# KiCad board Turbo_XT_Mainboard R3.kicad_pcb (continued)
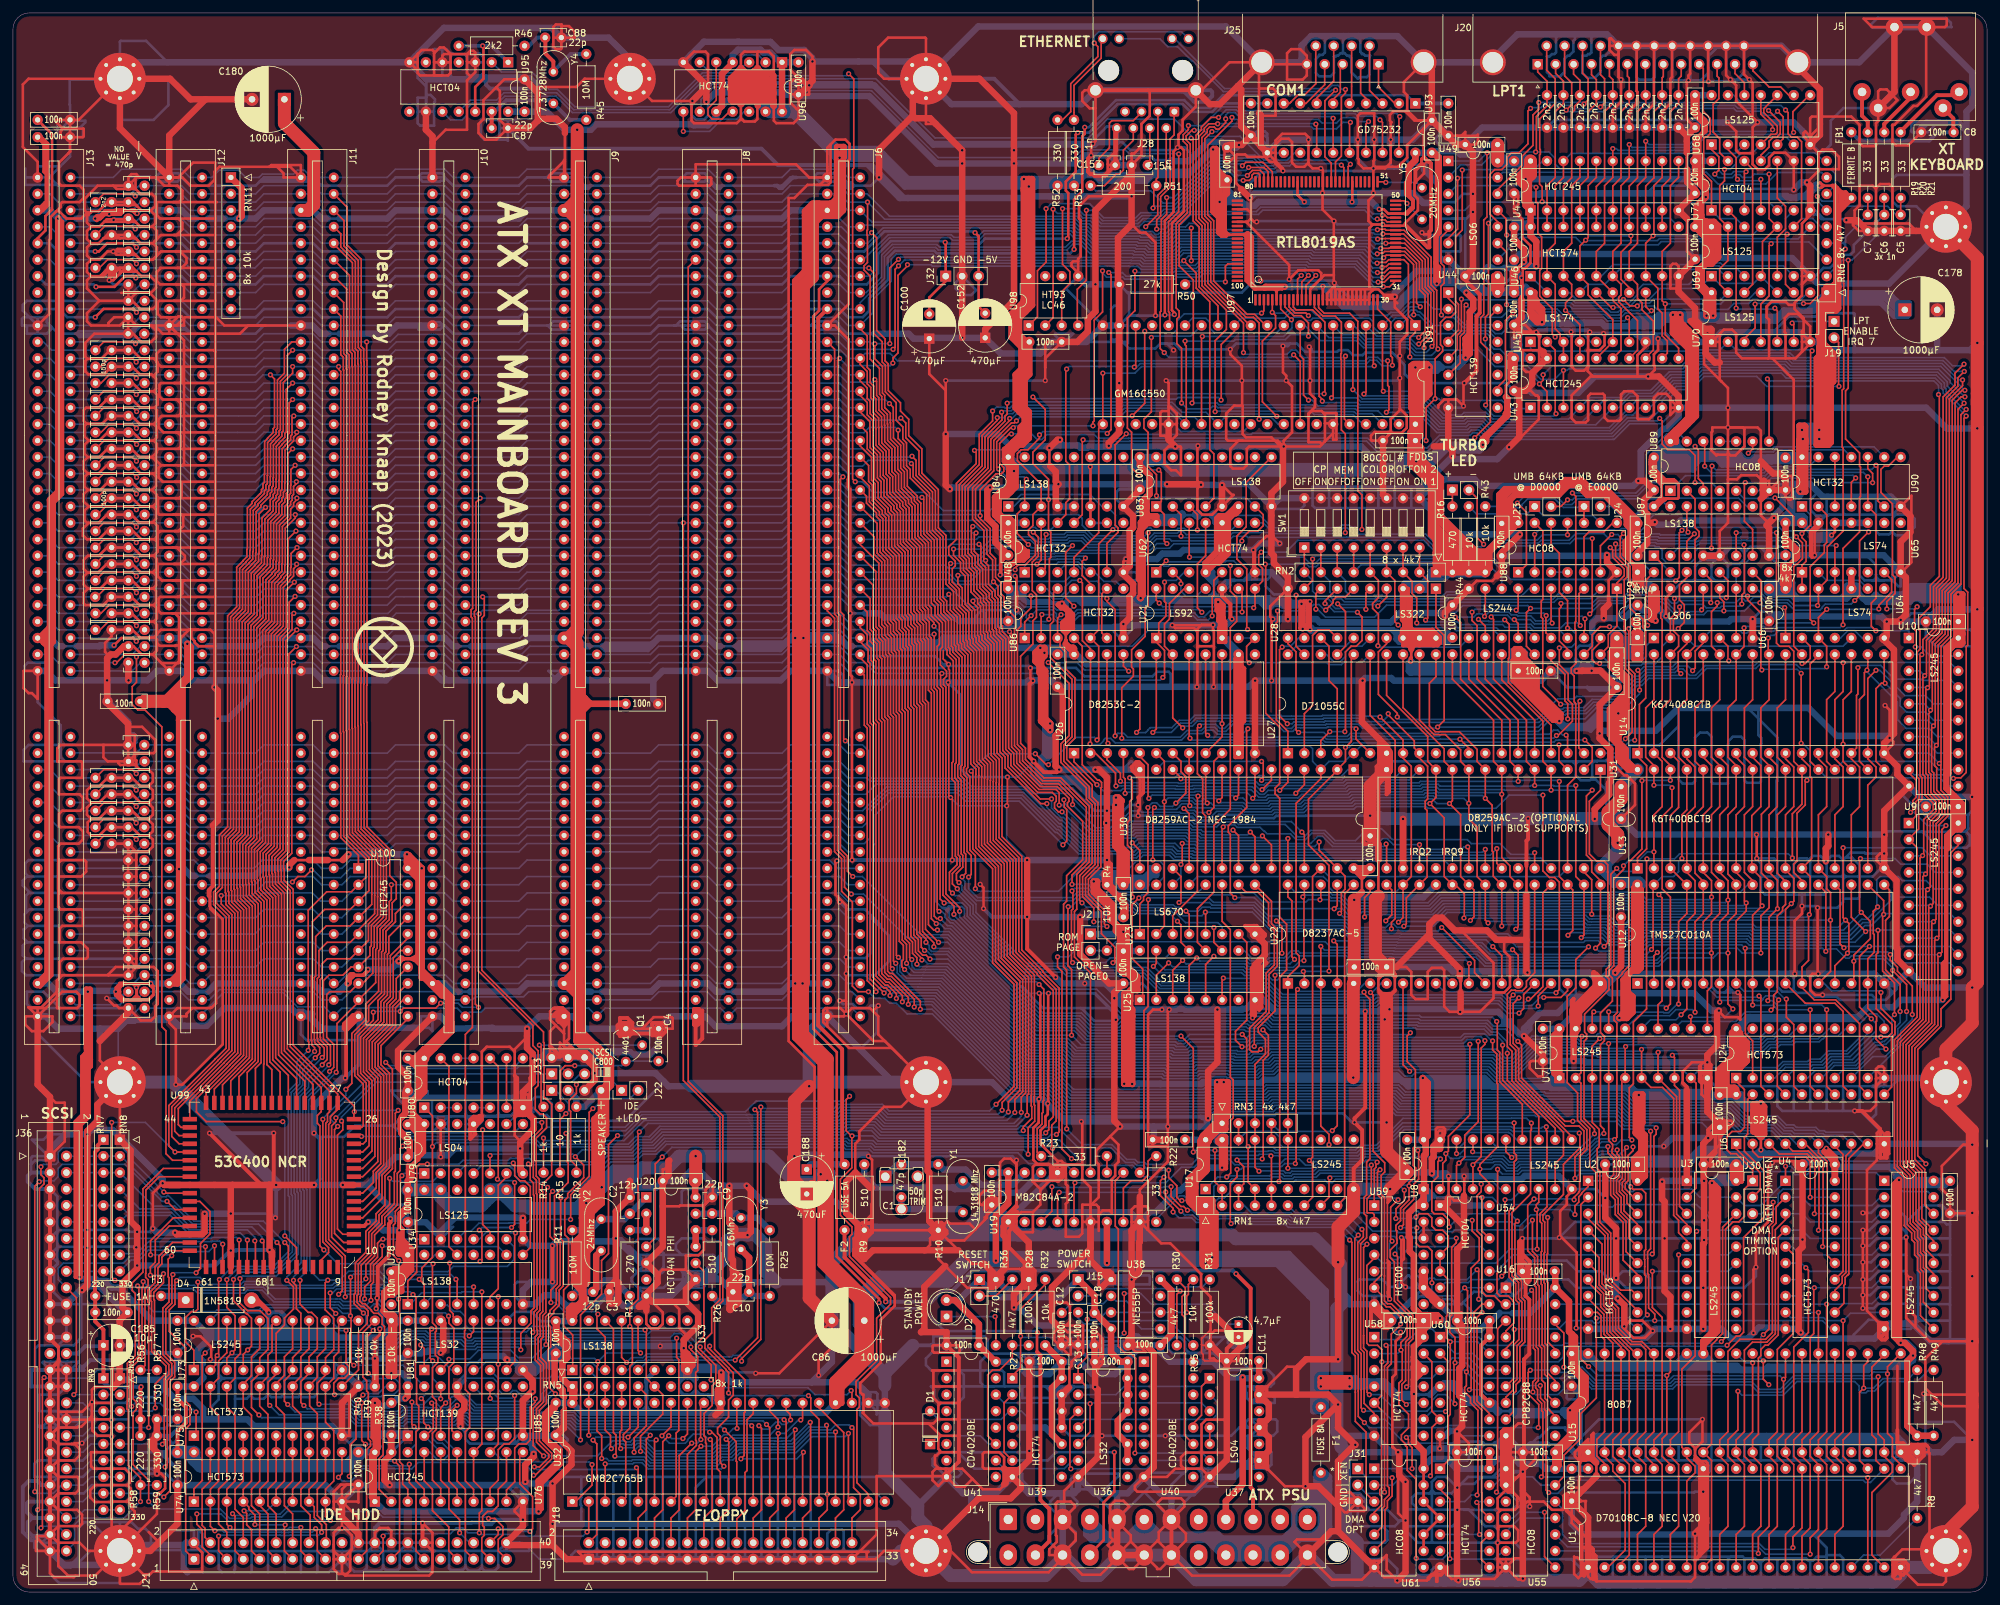
[diagram p0: board, top side]
## Placement (name value [footprint] x y rotation side) (continued)
RN7  8x 220  [R_Array_SIP9]  13.97 69.85 270 top
RN8  8x 330  [R_Array_SIP9]  16.51 69.85 270 top
RN9  8x 220  [R_Array_SIP9]  13.97 33.02 270 top
RN10  8x 330  [R_Array_SIP9]  16.51 33.02 270 top
RN11  8x 10k  [R_Array_SIP9]  33.65 218.44 270 top
SW1  SW_DIP_x08  [SW_DIP_SPSTx08_Slide_9.78x22.5mm_W7.62mm_P2.54mm]  199.39 161.29 90 top
U1  D70108C-8 NEC V20  [DIP-40_W15.24mm]  243.2 3.81 90 top
U2  74HCT573E TI  [DIP-20_W7.62mm]  243.2 63.5 0 top
U3  74LS245N TI  [DIP-20_W7.62mm]  258.44 63.5 0 top
U4  74HCT573E TI  [DIP-20_W7.62mm]  273.69 63.5 0 top
U5  74LS245N TI  [DIP-20_W7.62mm]  288.93 63.5 0 top
U6  74LS245N TI  [DIP-20_W7.62mm]  266.06 69.22 90 top
U7  74LS245N TI  [DIP-20_W7.62mm]  238.76 79.38 90 top
U8  74LS245N TI  [DIP-20_W7.62mm]  217.81 62.23 90 top
U9  74LS245N TI  [DIP-20_W7.62mm]  292.74 118.75 0 top
U10  74LS245N TI  [DIP-20_W7.62mm]  292.74 147.32 0 top
U12  TMS27C010A TI  [DIP-32_W15.24mm]  250.82 93.98 90 top
U13  K6T4008CTB  [DIP-32_W15.24mm]  250.82 111.76 90 top
U14  K6T4008CTB  [DIP-32_W15.24mm]  250.82 129.54 90 top
U15  8087  [DIP-40_W15.24mm]  243.2 21.59 90 top
U16  CP82C88 HARRIS  [DIP-20_W7.62mm]  230.5 46.99 0 top
U17  74LS245N TI  [DIP-20_W7.62mm]  184.15 62.23 90 top
U19  M82C84A-2 OKI  [DIP-18_W7.62mm]  153.67 57.15 90 top
U20  74HCT04N PHI  [DIP-14_W7.62mm]  97.79 60.96 0 top
U21  74LS92N  [DIP-14_W7.62mm]  176.53 147.32 90 top
U22  D8237AC-5 NEC 1984  [DIP-40_W15.24mm]  196.85 93.98 90 top
U23  74LS670N TI  [DIP-16_W7.62mm]  173.99 101.6 90 top
U24  74HCT573E TI  [DIP-20_W7.62mm]  266.06 79.38 90 top
U25  74LS138N TI  [DIP-16_W7.62mm]  173.99 91.44 90 top
U26  D8253C-2 NEC  [DIP-24_W15.24mm]  163.83 129.54 90 top
U27  D71055C NEC  [DIP-40_W15.24mm]  196.85 129.54 90 top
U28  74LS322AN  [DIP-20_W7.62mm]  219.71 154.94 270 top
U29  74LS244N TI  [DIP-20_W7.62mm]  247.65 154.94 270 top
U30  D8259AC-2 NEC  [DIP-28_W15.24mm]  207.01 127 270 top
U31  D8259AC-2 NEC  [DIP-28_W15.24mm]  245.11 127 270 top
U32  GM82C765B LGS  [DIP-40_W15.24mm]  86.36 13.97 90 top
U33  74LS138N  [DIP-16_W7.62mm]  86.36 34.29 90 top
U34  74LS125AN TI  [DIP-14_W7.62mm]  63.5 54.48 90 top
U36  74LS32N  [DIP-14_W7.62mm]  164.46 33.02 0 top
U37  74LS04N TI  [DIP-14_W7.62mm]  184.78 33.02 0 top
U38  NE555P  [DIP-8_W7.62mm]  169.54 48.26 0 top
U39  74HCT74E RCA  [DIP-14_W7.62mm]  154.31 33.02 0 top
U40  CD4020BE TI  [DIP-16_W7.62mm]  174.62 35.56 0 top
U41  CD4020BE TI  [DIP-16_W7.62mm]  144.14 35.56 0 top
U43  74HCT245N TI  [DIP-20_W7.62mm]  234.31 182.88 90 top
U44  74HCT139N PHI  [DIP-16_W7.62mm]  221.62 200.66 0 top
U45  74LS174N TI  [DIP-16_W7.62mm]  234.31 193.04 90 top
U46  74HCT574N TI  [DIP-20_W7.62mm]  234.31 203.2 90 top
U47  74HCT245N TI  [DIP-20_W7.62mm]  234.31 213.36 90 top
U48  74HCT32N  [DIP-14_W7.62mm]  156.21 157.48 90 top
U49  74LS06N TI  [DIP-14_W7.62mm]  221.62 220.98 0 top
U54  74HCT04N  [DIP-14_W7.62mm]  220.34 59.69 0 top
U55  74HC08 PHI  [DIP-14_W7.62mm]  230.5 19.05 0 top
U56  74HCT74E RCA  [DIP-14_W7.62mm]  220.34 19.05 0 top
U58  74HCT74E RCA  [DIP-14_W7.62mm]  210.19 39.37 0 top
U59  74HCT00 PHI  [DIP-14_W7.62mm]  210.19 59.69 0 top
U60  74HCT74E RCA  [DIP-14_W7.62mm]  220.34 39.37 0 top
U61  74HC08N PHI  [DIP-14_W7.62mm]  210.19 19.05 0 top
U62  74HCT74E RCA  [DIP-14_W7.62mm]  176.53 157.48 90 top
U64  74LS74AN  [DIP-14_W7.62mm]  273.69 147.32 90 top
U65  74LS74AN  [DIP-14_W7.62mm]  276.22 157.48 90 top
U66  74LS06N TI  [DIP-14_W7.62mm]  253.37 147.32 90 top
U68  74LS125AN MOT  [DIP-14_W7.62mm]  262.25 223.52 90 top
U69  74LS125AN MOT  [DIP-14_W7.62mm]  262.25 203.2 90 top
U70  74LS125AN MOT  [DIP-14_W7.62mm]  262.25 193.04 90 top
U71  74HCT04N  [DIP-14_W7.62mm]  262.25 213.36 90 top
U73  74LS245 TI  [DIP-20_W7.62mm]  27.94 34.29 90 top
U74  74HCT573E TI  [DIP-20_W7.62mm]  27.94 13.97 90 top
U75  74HCT573E TI  [DIP-20_W7.62mm]  27.94 24.13 90 top
U76  74HCT245N TI  [DIP-20_W7.62mm]  55.88 13.97 90 top
U78  74LS138N  [DIP-16_W7.62mm]  60.96 44.45 90 top
U79  74LS04N TI  [DIP-14_W7.62mm]  63.5 64.64 90 top
U80  74HCT04  [DIP-14_W7.62mm]  63.5 74.8 90 top
U81  74LS32N TI  [DIP-14_W7.62mm]  63.5 34.29 90 top
U83  74LS138N  [DIP-16_W7.62mm]  176.53 167.64 90 top
U84  74LS138N  [DIP-16_W7.62mm]  153.67 167.64 90 top
U85  74HCT139N PHI  [DIP-16_W7.62mm]  60.96 24.13 90 top
U86  74HCT32N  [DIP-14_W7.62mm]  156.21 147.32 90 top
U87  73LS138N  [DIP-16_W7.62mm]  253.37 160.02 90 top
U88  74HC08N TI  [DIP-14_W7.62mm]  232.41 157.48 90 top
U89  74HC08N PHI  [DIP-14_W7.62mm]  255.9 170.05 90 top
U90  74HCT32N  [DIP-14_W7.62mm]  276.22 167.64 90 top
U91  GM16C550 LGS  [DIP-40_W15.24mm]  216.53 195.58 270 top
U93  GD75232 TI  [DIP-20_W7.62mm]  216.53 229.87 270 top
U95  74HCT04N  [DIP-14_W7.62mm]  76.45 236.22 270 top
U96  74HCT74E RCA  [DIP-14_W7.62mm]  118.75 236.22 270 top
U97  RTL8019AS  [PQFP-100_14x20mm_P0.65mm_wider_pads_26,20x20,00_PCB]  201.27 208.66 90 top
U98  HT93LC46  [DIP-8_W7.62mm]  156.84 195.58 90 top
U99  53C400 NCR  [PLCC-68_Extended]  39.98 62.87 180 top
U100  74HCT245N TI  [DIP-20_W7.62mm]  53.34 111.76 0 top
Y1  14.31818 Mhz  [Crystal_HC49-4H_Vertical]  146.69 63.5 270 top
Y2  24 Mhz  [Crystal_HC49-4H_Vertical]  90.8 57.58 270 top
Y3  16Mhz  [Crystal_HC49-4H_Vertical]  112.39 57.79 270 top
Y4  7.3728 Mhz  [Crystal_HC49-4H_Vertical]  83.44 229.87 90 top
Y5  20 Mhz  [Crystal_HC49-4H_Vertical]  217.55 211.96 90 top

## Library data of the parts
D1 D4 = -: Field4: K

## Footprints (pads in the part's own frame, mm; a bottom-side part is the same pattern mirrored in y, then rotated)
C_Disc_D3.8mm_W2.6mm_P2.50mm
  round 1.6 hole 0.8: 1(0,0) 2(2.5,0)
C_Disc_D4.7mm_W2.5mm_P5.00mm
  round 1.6 hole 0.8: 1(0,0) 2(5,0)
C_Disc_D5.0mm_W2.5mm_P5.00mm
  round 1.6 hole 0.8: 1(0,0) 2(5,0)
C_Rect_L7.0mm_W2.0mm_P5.00mm
  round 1.6 hole 0.8: 1(0,0) 2(5,0)
CP_Radial_D4.0mm_P2.00mm
  rect 1.2x1.2 hole 0.6: 1(0,0)
  round 1.2 hole 0.6: 2(2,0)
CP_Radial_D6.3mm_P2.50mm
  rect 1.6x1.6 hole 0.8: 1(0,0)
  round 1.6 hole 0.8: 2(2.5,0)
CP_Radial_D8.0mm_P3.80mm
  rect 1.6x1.6 hole 0.8: 1(0,0)
  round 1.6 hole 0.8: 2(3.8,0)
CP_Radial_D10.0mm_P5.00mm
  rect 2x2 hole 1: 1(0,0)
  round 2 hole 1: 2(5,0)
Crystal_HC49-4H_Vertical
  round 1.5 hole 0.8: 1(0,0) 2(4.88,0)
D_DO-15_P10.16mm_Horizontal
  rect 2.4x2.4 hole 1.2: 1(0,0)
  oval 2.4x2.4 hole 1.2: 2(10.16,0)
D_DO-35_SOD27_P5.08mm_Horizontal
  rect 1.6x1.6 hole 0.8: 1(1.27,0)
  oval 1.6x1.6 hole 0.8: 2(6.35,0)
DIN_5P_FEMALE_PCB
  round 2.7 hole 1.3: 1(-0.005,0) 2(-7.498,0) 3(-14.991,0) 4(-2.494,2.489) 5(-12.502,2.489) SH(-9.987,-10.008) SH(-5.009,-10.008)
DIP-8_W7.62mm
  rect 1.6x1.6 hole 0.8: 1(0,0)
  oval 1.6x1.6 hole 0.8: 2(0,-2.54) 3(0,-5.08) 4(0,-7.62) 5(7.62,-7.62) 6(7.62,-5.08) 7(7.62,-2.54) 8(7.62,0)
DIP-14_W7.62mm
  rect 1.6x1.6 hole 0.8: 1(0,0)
  oval 1.6x1.6 hole 0.8: 2(0,-2.54) 3(0,-5.08) 4(0,-7.62) 5(0,-10.16) 6(0,-12.7) 7(0,-15.24) 8(7.62,-15.24) 9(7.62,-12.7) 10(7.62,-10.16) 11(7.62,-7.62) 12(7.62,-5.08) 13(7.62,-2.54) 14(7.62,0)
DIP-16_W7.62mm
  rect 1.6x1.6 hole 0.8: 1(0,0)
  oval 1.6x1.6 hole 0.8: 2(0,-2.54) 3(0,-5.08) 4(0,-7.62) 5(0,-10.16) 6(0,-12.7) 7(0,-15.24) 8(0,-17.78) 9(7.62,-17.78) 10(7.62,-15.24) 11(7.62,-12.7) 12(7.62,-10.16) 13(7.62,-7.62) 14(7.62,-5.08) 15(7.62,-2.54) 16(7.62,0)
DIP-18_W7.62mm
  rect 1.6x1.6 hole 0.8: 1(0,0)
  oval 1.6x1.6 hole 0.8: 2(0,-2.54) 3(0,-5.08) 4(0,-7.62) 5(0,-10.16) 6(0,-12.7) 7(0,-15.24) 8(0,-17.78) 9(0,-20.32) 10(7.62,-20.32) 11(7.62,-17.78) 12(7.62,-15.24) 13(7.62,-12.7) 14(7.62,-10.16) 15(7.62,-7.62) 16(7.62,-5.08) 17(7.62,-2.54) 18(7.62,0)
DIP-20_W7.62mm
  rect 1.6x1.6 hole 0.8: 1(0,0)
  oval 1.6x1.6 hole 0.8: 2(0,-2.54) 3(0,-5.08) 4(0,-7.62) 5(0,-10.16) 6(0,-12.7) 7(0,-15.24) 8(0,-17.78) 9(0,-20.32) 10(0,-22.86) 11(7.62,-22.86) 12(7.62,-20.32) 13(7.62,-17.78) 14(7.62,-15.24) 15(7.62,-12.7) 16(7.62,-10.16) 17(7.62,-7.62) 18(7.62,-5.08) 19(7.62,-2.54) 20(7.62,0)
DIP-24_W15.24mm
  rect 1.6x1.6 hole 0.8: 1(0,0)
  oval 1.6x1.6 hole 0.8: 2(0,-2.54) 3(0,-5.08) 4(0,-7.62) 5(0,-10.16) 6(0,-12.7) 7(0,-15.24) 8(0,-17.78) 9(0,-20.32) 10(0,-22.86) 11(0,-25.4) 12(0,-27.94) 13(15.24,-27.94) 14(15.24,-25.4) 15(15.24,-22.86) 16(15.24,-20.32) 17(15.24,-17.78) 18(15.24,-15.24) 19(15.24,-12.7) 20(15.24,-10.16) 21(15.24,-7.62) 22(15.24,-5.08) 23(15.24,-2.54) 24(15.24,0)
DIP-28_W15.24mm
  rect 1.6x1.6 hole 0.8: 1(0,0)
  oval 1.6x1.6 hole 0.8: 2(0,-2.54) 3(0,-5.08) 4(0,-7.62) 5(0,-10.16) 6(0,-12.7) 7(0,-15.24) 8(0,-17.78) 9(0,-20.32) 10(0,-22.86) 11(0,-25.4) 12(0,-27.94) 13(0,-30.48) 14(0,-33.02) 15(15.24,-33.02) 16(15.24,-30.48) 17(15.24,-27.94) 18(15.24,-25.4) 19(15.24,-22.86) 20(15.24,-20.32) 21(15.24,-17.78) 22(15.24,-15.24) 23(15.24,-12.7) 24(15.24,-10.16) 25(15.24,-7.62) 26(15.24,-5.08) 27(15.24,-2.54) 28(15.24,0)
DIP-32_W15.24mm
  rect 1.6x1.6 hole 0.8: 1(0,0)
  oval 1.6x1.6 hole 0.8: 2(0,-2.54) 3(0,-5.08) 4(0,-7.62) 5(0,-10.16) 6(0,-12.7) 7(0,-15.24) 8(0,-17.78) 9(0,-20.32) 10(0,-22.86) 11(0,-25.4) 12(0,-27.94) 13(0,-30.48) 14(0,-33.02) 15(0,-35.56) 16(0,-38.1) 17(15.24,-38.1) 18(15.24,-35.56) 19(15.24,-33.02) 20(15.24,-30.48) 21(15.24,-27.94) 22(15.24,-25.4) 23(15.24,-22.86) 24(15.24,-20.32) 25(15.24,-17.78) 26(15.24,-15.24) 27(15.24,-12.7) 28(15.24,-10.16) 29(15.24,-7.62) 30(15.24,-5.08) 31(15.24,-2.54) 32(15.24,0)
DIP-40_W15.24mm
  rect 1.6x1.6 hole 0.8: 1(0,0)
  oval 1.6x1.6 hole 0.8: 2(0,-2.54) 3(0,-5.08) 4(0,-7.62) 5(0,-10.16) 6(0,-12.7) 7(0,-15.24) 8(0,-17.78) 9(0,-20.32) 10(0,-22.86) 11(0,-25.4) 12(0,-27.94) 13(0,-30.48) 14(0,-33.02) 15(0,-35.56) 16(0,-38.1) 17(0,-40.64) 18(0,-43.18) 19(0,-45.72) 20(0,-48.26) 21(15.24,-48.26) 22(15.24,-45.72) 23(15.24,-43.18) 24(15.24,-40.64) 25(15.24,-38.1) 26(15.24,-35.56) 27(15.24,-33.02) 28(15.24,-30.48) 29(15.24,-27.94) 30(15.24,-25.4) 31(15.24,-22.86) 32(15.24,-20.32) 33(15.24,-17.78) 34(15.24,-15.24) 35(15.24,-12.7) 36(15.24,-10.16) 37(15.24,-7.62) 38(15.24,-5.08) 39(15.24,-2.54) 40(15.24,0)
DSUB-9_Male_Horizontal_COMPORT
  rect 1.6x1.6 hole 1: 1(0,0)
  round 1.6 hole 1: 2(2.77,0) 3(5.54,0) 4(8.31,0) 5(11.08,0) 6(1.385,-2.84) 7(4.155,-2.84) 8(6.925,-2.84) 9(9.695,-2.84)
  round 4 hole 3.2: SH(-6.96,-0.3) SH(18.04,-0.3)
DSUB-25_Female_Horizontal_P2.77x2.84mm_EdgePinOffset4.94mm_Housed_MountingHolesOffset7.48mm
  round 4 hole 3.2: 0(-40.17,-0.3) 0(6.93,-0.3)
  rect 1.6x1.6 hole 1: 1(0,0)
  round 1.6 hole 1: 2(-2.77,0) 3(-5.54,0) 4(-8.31,0) 5(-11.08,0) 6(-13.85,0) 7(-16.62,0) 8(-19.39,0) 9(-22.16,0) 10(-24.93,0) 11(-27.7,0) 12(-30.47,0) 13(-33.24,0) 14(-1.385,-2.84) 15(-4.155,-2.84) 16(-6.925,-2.84) 17(-9.695,-2.84) 18(-12.465,-2.84) 19(-15.235,-2.84) 20(-18.005,-2.84) 21(-20.775,-2.84) 22(-23.545,-2.84) 23(-26.315,-2.84) 24(-29.085,-2.84) 25(-31.855,-2.84)
IDC-Header_2x17_P2.54mm_Vertical
  rrect 1.7x1.7 hole 1: 1(0,0)
  round 1.7 hole 1: 2(2.54,0) 3(0,-2.54) 4(2.54,-2.54) 5(0,-5.08) 6(2.54,-5.08) 7(0,-7.62) 8(2.54,-7.62) 9(0,-10.16) 10(2.54,-10.16) 11(0,-12.7) 12(2.54,-12.7) 13(0,-15.24) 14(2.54,-15.24) 15(0,-17.78) 16(2.54,-17.78) 17(0,-20.32) 18(2.54,-20.32) 19(0,-22.86) 20(2.54,-22.86) 21(0,-25.4) 22(2.54,-25.4) 23(0,-27.94) 24(2.54,-27.94) 25(0,-30.48) 26(2.54,-30.48) 27(0,-33.02) 28(2.54,-33.02) 29(0,-35.56) 30(2.54,-35.56) 31(0,-38.1) 32(2.54,-38.1) 33(0,-40.64) 34(2.54,-40.64)
IDC-Header_2x20_P2.54mm_Vertical
  rrect 1.7x1.7 hole 1: 1(0,0)
  round 1.7 hole 1: 2(2.54,0) 3(0,-2.54) 4(2.54,-2.54) 5(0,-5.08) 6(2.54,-5.08) 7(0,-7.62) 8(2.54,-7.62) 9(0,-10.16) 10(2.54,-10.16) 11(0,-12.7) 12(2.54,-12.7) 13(0,-15.24) 14(2.54,-15.24) 15(0,-17.78) 16(2.54,-17.78) 17(0,-20.32) 18(2.54,-20.32) 19(0,-22.86) 20(2.54,-22.86) 21(0,-25.4) 22(2.54,-25.4) 23(0,-27.94) 24(2.54,-27.94) 25(0,-30.48) 26(2.54,-30.48) 27(0,-33.02) 28(2.54,-33.02) 29(0,-35.56) 30(2.54,-35.56) 31(0,-38.1) 32(2.54,-38.1) 33(0,-40.64) 34(2.54,-40.64) 35(0,-43.18) 36(2.54,-43.18) 37(0,-45.72) 38(2.54,-45.72) 39(0,-48.26) 40(2.54,-48.26)
IDC-Header_2x25_P2.54mm_Vertical
  rrect 1.7x1.7 hole 1: 1(0,0)
  round 1.7 hole 1: 2(2.54,0) 3(0,-2.54) 4(2.54,-2.54) 5(0,-5.08) 6(2.54,-5.08) 7(0,-7.62) 8(2.54,-7.62) 9(0,-10.16) 10(2.54,-10.16) 11(0,-12.7) 12(2.54,-12.7) 13(0,-15.24) 14(2.54,-15.24) 15(0,-17.78) 16(2.54,-17.78) 17(0,-20.32) 18(2.54,-20.32) 19(0,-22.86) 20(2.54,-22.86) 21(0,-25.4) 22(2.54,-25.4) 23(0,-27.94) 24(2.54,-27.94) 25(0,-30.48) 26(2.54,-30.48) 27(0,-33.02) 28(2.54,-33.02) 29(0,-35.56) 30(2.54,-35.56) 31(0,-38.1) 32(2.54,-38.1) 33(0,-40.64) 34(2.54,-40.64) 35(0,-43.18) 36(2.54,-43.18) 37(0,-45.72) 38(2.54,-45.72) 39(0,-48.26) 40(2.54,-48.26) 41(0,-50.8) 42(2.54,-50.8) 43(0,-53.34) 44(2.54,-53.34) 45(0,-55.88) 46(2.54,-55.88) 47(0,-58.42) 48(2.54,-58.42) 49(0,-60.96) 50(2.54,-60.96)
LED_D5.0mm
  rect 1.8x1.8 hole 0.9: 1(0,0)
  round 1.8 hole 0.9: 2(2.54,0)
Molex_Mini-Fit_Jr_5566-24A2_2x12_P4.20mm_Vertical
  round 3 hole 3 unplated: (-4.7,-5.04) (50.9,-5.04)
  rrect 2.7x3.3 hole 1.4: 1(0,0)
  oval 2.7x3.3 hole 1.4: 2(4.2,0) 3(8.4,0) 4(12.6,0) 5(16.8,0) 6(21,0) 7(25.2,0) 8(29.4,0) 9(33.6,0) 10(37.8,0) 11(42,0) 12(46.2,0) 13(0,-5.5) 14(4.2,-5.5) 15(8.4,-5.5) 16(12.6,-5.5) 17(16.8,-5.5) 18(21,-5.5) 19(25.2,-5.5) 20(29.4,-5.5) 21(33.6,-5.5) 22(37.8,-5.5) 23(42,-5.5) 24(46.2,-5.5)
MountingHole_4mm_Pad_Via
  round 0.9 hole 0.6: 1(-3,0) 1(-2.121,2.121) 1(-2.121,-2.121) 1(0,3) 1(0,-3) 1(2.121,2.121) 1(2.121,-2.121) 1(3,0)
  round 8 hole 4: 1(0,0)
PCB_edge_ISA_Slot
  round 1.6 hole 0.8: 1(-17.78,-2.54) 2(-15.24,-2.54) 3(-12.7,-2.54) 4(-10.16,-2.54) 5(-7.62,-2.54) 6(-5.08,-2.54) 7(-2.54,-2.54) 8(0,-2.54) 9(2.54,-2.54) 10(5.08,-2.54) 11(7.62,-2.54) 12(10.16,-2.54) 13(12.7,-2.54) 14(15.24,-2.54) 15(17.78,-2.54) 16(20.32,-2.54) 17(22.86,-2.54) 18(25.4,-2.54) 19(27.94,-2.54) 20(30.48,-2.54) 21(33.02,-2.54) 22(35.56,-2.54) 23(38.1,-2.54) 24(40.64,-2.54) 25(43.18,-2.54) 26(45.72,-2.54) 27(48.26,-2.54) 28(50.8,-2.54) 29(53.34,-2.54) 30(55.88,-2.54)
  round 1.524 hole 0.762: 31(58.42,-2.54) 32(-17.78,2.54) 33(-15.24,2.54) 34(-12.7,2.54) 35(-10.16,2.54) 36(-7.62,2.54) 37(-5.08,2.54) 38(-2.54,2.54) 39(0,2.54) 40(2.54,2.54) 41(5.08,2.54) 42(7.62,2.54) 43(10.16,2.54) 44(12.7,2.54) 45(15.24,2.54) 46(17.78,2.54) 47(20.32,2.54) 48(22.86,2.54) 49(25.4,2.54) 50(27.94,2.54) 51(30.48,2.54) 52(33.02,2.54) 53(35.56,2.54) 54(38.1,2.54) 55(40.64,2.54) 56(43.18,2.54) 57(45.72,2.54) 58(48.26,2.54) 59(50.8,2.54) 60(53.34,2.54) 61(55.88,2.54) 62(58.42,2.54) 63(68.58,-2.54) 64(71.12,-2.54) 65(73.66,-2.54) 66(76.2,-2.54) 67(78.74,-2.54) 68(81.28,-2.54) 69(83.82,-2.54) 70(86.36,-2.54) 71(88.9,-2.54) 72(91.44,-2.54) 73(93.98,-2.54) 74(96.52,-2.54) 75(99.06,-2.54) 76(101.6,-2.54) 77(104.14,-2.54) 78(106.68,-2.54) 79(109.22,-2.54) 80(111.76,-2.54) 81(68.58,2.54) 82(71.12,2.54) 83(73.66,2.54) 84(76.2,2.54) 85(78.74,2.54) 86(81.28,2.54) 87(83.82,2.54) 88(86.36,2.54) 89(88.9,2.54) 90(91.44,2.54) 91(93.98,2.54) 92(96.52,2.54) 93(99.06,2.54) 94(101.6,2.54) 95(104.14,2.54) 96(106.68,2.54) 97(109.22,2.54) 98(111.76,2.54)
PinHeader_1x02_P2.54mm_Vertical
  rect 1.7x1.7 hole 1: 1(0,0)
  oval 1.7x1.7 hole 1: 2(0,-2.54)
PinHeader_1x03_P2.54mm_Vertical
  rect 1.7x1.7 hole 1: 1(0,0)
  oval 1.7x1.7 hole 1: 2(0,-2.54) 3(0,-5.08)
PinHeader_1x04_P2.54mm_Vertical
  rect 1.7x1.7 hole 1: 1(0,0)
  oval 1.7x1.7 hole 1: 2(0,-2.54) 3(0,-5.08) 4(0,-7.62)
PinHeader_2x03_P2.54mm_Vertical
  rect 1.7x1.7 hole 1: 1(0,0)
  oval 1.7x1.7 hole 1: 2(2.54,0) 3(0,-2.54) 4(2.54,-2.54) 5(0,-5.08) 6(2.54,-5.08)
PLCC-68_Extended
  rect 0.7x2.2 smd: 1(0,12.672) 2(-1.27,12.672) 3(-2.54,12.672) 4(-3.81,12.672) 5(-5.08,12.672) 6(-6.35,12.672) 7(-7.62,12.672) 8(-8.89,12.672) 9(-10.16,12.672) 27(-10.16,-12.672) 28(-8.89,-12.672) 29(-7.62,-12.672) 30(-6.35,-12.672) 31(-5.08,-12.672) 32(-3.81,-12.672) 33(-2.54,-12.672) 34(-1.27,-12.672) 35(0,-12.672) 36(1.27,-12.672) 37(2.54,-12.672) 38(3.81,-12.672) 39(5.08,-12.672) 40(6.35,-12.672) 41(7.62,-12.672) 42(8.89,-12.672) 43(10.16,-12.672) 61(10.16,12.672) 62(8.89,12.672) 63(7.62,12.672) 64(6.35,12.672) 65(5.08,12.672) 66(3.81,12.672) 67(2.54,12.672) 68(1.27,12.672)
  rect 2.2x0.7 smd: 10(-12.672,10.16) 11(-12.672,8.89) 12(-12.672,7.62) 13(-12.672,6.35) 14(-12.672,5.08) 15(-12.672,3.81) 16(-12.672,2.54) 17(-12.672,1.27) 18(-12.672,0) 19(-12.672,-1.27) 20(-12.672,-2.54) 21(-12.672,-3.81) 22(-12.672,-5.08) 23(-12.672,-6.35) 24(-12.672,-7.62) 25(-12.672,-8.89) 26(-12.672,-10.16) 44(12.672,-10.16) 45(12.672,-8.89) 46(12.672,-7.62) 47(12.672,-6.35) 48(12.672,-5.08) 49(12.672,-3.81) 50(12.672,-2.54) 51(12.672,-1.27) 52(12.672,0) 53(12.672,1.27) 54(12.672,2.54) 55(12.672,3.81) 56(12.672,5.08) 57(12.672,6.35) 58(12.672,7.62) 59(12.672,8.89) 60(12.672,10.16)
PQFP-100_14x20mm_P0.65mm_wider_pads_26,20x20,00_PCB
  rrect 1.75x0.4 smd: 1(-9.119,9.425) 2(-9.119,8.775) 3(-9.116,8.125) 4(-9.116,7.475) 5(-9.116,6.825) 6(-9.116,6.175) 7(-9.116,5.525) 8(-9.116,4.875) 9(-9.116,4.225) 10(-9.116,3.575) 11(-9.116,2.925) 12(-9.116,2.275) 13(-9.116,1.625) 14(-9.116,0.975) 15(-9.116,0.325) 16(-9.116,-0.325) 17(-9.116,-0.975) 18(-9.116,-1.625) 19(-9.116,-2.275) 20(-9.116,-2.925) 21(-9.116,-3.575) 22(-9.116,-4.225) 23(-9.116,-4.875) 24(-9.116,-5.525) 25(-9.116,-6.175) 26(-9.116,-6.825) 27(-9.116,-7.475) 28(-9.116,-8.125) 29(-9.116,-8.775) 30(-9.116,-9.425) 51(9.106,-9.425) 52(9.106,-8.775) 53(9.106,-8.125) 54(9.106,-7.475) 55(9.106,-6.825) 56(9.106,-6.175) 57(9.106,-5.525) 58(9.106,-4.875) 59(9.106,-4.225) 60(9.106,-3.575) 61(9.106,-2.925) 62(9.106,-2.275) 63(9.106,-1.625) 64(9.106,-0.975) 65(9.106,-0.325) 66(9.106,0.325) 67(9.106,0.975) 68(9.106,1.625) 69(9.106,2.275) 70(9.106,2.925) 71(9.106,3.575) 72(9.106,4.225) 73(9.106,4.875) 74(9.106,5.525) 75(9.106,6.175) 76(9.106,6.825) 77(9.106,7.475) 78(9.106,8.125) 79(9.106,8.775) 80(9.109,9.425)
  rrect 0.4x1.75 smd: 31(-6.175,-12.217) 32(-5.525,-12.217) 33(-4.875,-12.217) 34(-4.225,-12.217) 35(-3.575,-12.217) 36(-2.925,-12.217) 37(-2.275,-12.217) 38(-1.625,-12.217) 39(-0.975,-12.217) 40(-0.325,-12.217) 41(0.325,-12.217) 42(0.975,-12.217) 43(1.625,-12.217) 44(2.275,-12.217) 45(2.925,-12.217) 46(3.575,-12.217) 47(4.225,-12.217) 48(4.875,-12.217) 49(5.525,-12.217) 50(6.175,-12.217) 81(6.175,12.217) 82(5.525,12.217) 83(4.875,12.217) 84(4.225,12.217) 85(3.575,12.217) 86(2.925,12.217) 87(2.275,12.217) 88(1.625,12.217) 89(0.975,12.217) 90(0.325,12.217) 91(-0.325,12.217) 92(-0.975,12.217) 93(-1.625,12.217) 94(-2.275,12.217) 95(-2.925,12.217) 96(-3.575,12.217) 97(-4.225,12.217) 98(-4.875,12.217) 99(-5.525,12.217) 100(-6.175,12.217)
R_Array_SIP5
  rect 1.6x1.6 hole 0.8: 1(0,0)
  oval 1.6x1.6 hole 0.8: 2(2.54,0) 3(5.08,0) 4(7.62,0) 5(10.16,0)
R_Array_SIP9
  rect 1.6x1.6 hole 0.8: 1(0,0)
  oval 1.6x1.6 hole 0.8: 2(2.54,0) 3(5.08,0) 4(7.62,0) 5(10.16,0) 6(12.7,0) 7(15.24,0) 8(17.78,0) 9(20.32,0)
R_Axial_DIN0207_L6.3mm_D2.5mm_P7.62mm_Horizontal
  round 1.6 hole 0.8: 1(0,0)
  oval 1.6x1.6 hole 0.8: 2(7.62,0)
R_Axial_DIN0207_L6.3mm_D2.5mm_P10.16mm_Horizontal
  round 1.6 hole 0.8: 1(0,0)
  oval 1.6x1.6 hole 0.8: 2(10.16,0)
RJ45_Hanrun_HR911105A
  round 3.25 hole 3.25 unplated: (-1.275,-6.36) (10.155,-6.36)
  rrect 1.5x1.5 hole 0.9: 1(0,0)
  round 1.5 hole 0.9: 2(1.26,2.54) 3(2.54,0) 4(3.8,2.54) 5(5.08,0) 6(6.34,2.54) 7(7.62,0) 8(8.88,2.54)
  round 1.5 hole 1.02: 9(-2.185,-11.26) 10(0.355,-11.26) 11(8.525,-11.26) 12(11.065,-11.26)
  round 2.5 hole 1.63: SH(-3.305,-3.31) SH(12.185,-3.31)
SW_DIP_SPSTx08_Slide_9.78x22.5mm_W7.62mm_P2.54mm
  rect 1.6x1.6 hole 0.8: 1(0,0)
  oval 1.6x1.6 hole 0.8: 2(0,-2.54) 3(0,-5.08) 4(0,-7.62) 5(0,-10.16) 6(0,-12.7) 7(0,-15.24) 8(0,-17.78) 9(7.62,-17.78) 10(7.62,-15.24) 11(7.62,-12.7) 12(7.62,-10.16) 13(7.62,-7.62) 14(7.62,-5.08) 15(7.62,-2.54) 16(7.62,0)
TO-92_Wide
  rect 1.5x1.5 hole 0.8: 1(0,0)
  round 1.5 hole 0.8: 2(2.54,2.54) 3(5.08,0)
Trimmer_C
  rect 1.9x1.9 hole 1.3: 1(0,0)
  round 1.9 hole 1.3: 2(2.5,-5) 3(5,0)

## Nets
/5VSB: C14.1 C15.1 C16.1 C17.1 C18.1 C78.1 D2.2 J14.9 J15.1 J17.1 R32.1 U36.9 U36.10 U36.12 U36.13 U36.14 U37.14 U38.4 U38.8 U39.4 U39.10 U39.14 U40.16 U41.16
/12V: C187.1 C188.1 F2.1 J6.9 J8.9 J9.9 J10.9 J11.9 J12.9 J13.9 U93.1
/-5V: C151.1 C152.2 J6.5 J8.5 J9.5 J10.5 J11.5 J12.5 J13.5 J32.3
/-12V: C99.1 C100.2 J6.7 J8.7 J9.7 J10.7 J11.7 J12.7 J13.7 J14.14 J32.1 U93.10
GNDD: C2.1 C3.2 C4.2 C5.2 C6.2 C7.2 C8.2 C9.1 C10.2 C11.2 C12.2 C13.2 C14.2 C15.2 C16.2 C17.2 C18.2 C21.2 C22.2 C23.2 C24.2 C25.2 C26.2 C27.2 C28.2 C29.2 C30.2 C31.2 C32.2 C33.2 C34.2 C35.2 C36.2 C37.2 C38.2 C39.2 C40.2 C41.2 C42.2 C43.2 C44.2 C45.2 C46.2 C47.2 C48.2 C49.2 C50.2 C51.2 C52.2 C53.2 C54.2 C55.2 C56.2 C57.2 C58.2 C59.2 C60.2 C61.2 C62.2 C63.2 C64.2 C65.2 C66.2 C67.2 C68.2 C69.2 C70.2 C71.2 C72.2 C73.2 C74.2 C75.2 C76.2 C77.2 C78.2 C79.2 C80.2 C81.2 C82.2 C83.2 C84.2 C85.2 C86.2 C87.1 C88.2 C89.2 C90.2 C91.2 C92.2 C93.2 C94.2 C95.2 C96.2 C97.2 C98.1 C99.2 C100.1 C101.1 C102.1 C103.1 C104.1 C105.1 C106.1 C107.1 C108.1 C109.1 C110.1 C111.1 C112.1 C113.1 C114.1 C115.1 C116.1 C117.1 C118.1 C119.1 C120.1 C121.1 C122.2 C123.2 C124.2 C125.2 C126.2 C127.2 C128.2 C129.2 C130.2 C131.2 C132.2 C133.2 C134.2 C135.2 C136.2 C137.2 C138.2 C139.2 C140.2 C141.2 C142.2 C143.2 C144.2 C145.2 C146.2 C147.2 C148.2 C149.2 C150.1 C151.2 C152.1 C153.1 C154.1 C155.1 C156.1 C157.1 C158.1 C159.1 C160.1 C161.1 C162.1 C163.1 C164.1 C165.1 C166.1 C167.1 C168.1 C169.2 C170.2 C171.2 C172.2 C173.2 C174.2 C175.2 C176.2 C177.2 C178.2 C179.2 C180.2 C181.2 C183.2 C184.2 C185.2 C186.2 C187.2 C188.2 H1.1 H2.1 H3.1 H4.1 H5.1 H6.1 H7.1 H8.1 H9.1 H10.1 J1.3 J5.4 J5.SH J6.1 J6.10 J6.31 J6.80 J8.1 J8.10 J8.31 J8.80 J9.1 J9.10 J9.31 J9.80 J10.1 J10.10 J10.31 J10.80 J11.1 J11.10 J11.31 J11.80 J12.1 J12.10 J12.31 J12.80 J13.1 J13.10 J13.31 J13.80 J14.3 J14.5 J14.7 J14.15 J14.17 J14.18 J14.19 J14.24 J18.1 J18.3 J18.5 J18.7 J18.9 J18.11 J18.13 J18.15 J18.17 J18.19 J18.21 J18.23 J18.25 J18.27 J18.29 J18.31 J18.33 J20.0 J20.18 J20.19 J20.20 J20.21 J20.22 J20.23 J20.24 J20.25 J21.2 J21.19 J21.22 J21.24 J21.26 J21.28 J21.30 J21.40 J25.5 J25.SH J28.8 J28.SH J31.3 J32.2 J33.2 J33.4 J33.6 J36.1 J36.3 J36.5 J36.7 J36.9 J36.11 J36.13 J36.15 J36.17 J36.19 J36.20 J36.21 J36.22 J36.23 J36.24 J36.27 J36.28 J36.29 J36.30 J36.31 J36.33 J36.34 J36.35 J36.37 J36.39 J36.41 J36.43 J36.45 J36.47 J36.49 Q1.1 R4.1 R8.1 R9.1 R10.2 R28.1 R31.1 R36.2 R39.2 R40.2 R50.2 R57.1 R59.1 RN8.1 RN10.1 SW1.9 SW1.10 SW1.11 SW1.12 SW1.13 SW1.14 SW1.15 SW1.16 U1.1 U1.20 U1.33 U2.10 U3.1 U3.10 U4.10 U5.10 U6.10 U7.10 U7.19 U8.10 U8.19 U9.10 U10.10 U12.16 U13.16 U14.16 U15.1 U15.20 U16.1 U16.10 U17.10 U17.19 U19.1 U19.6 U19.9 U19.15 U20.5 U20.7 U20.9 U21.10 U22.20 U23.8 U24.10 U25.8 U26.12 U27.7 U28.10 U29.10 U30.14 U31.14 U31.16 U32.21 U32.22 U32.31 U33.8 U34.2 U34.7 U36.7 U37.7 U37.9 U37.11 U37.13 U38.1 U39.7 U39.11 U39.12 U39.13 U40.8 U41.8 U43.10 U43.19 U44.8 U45.8 U46.10 U47.10 U48.7 U49.7 U54.1 U54.7 U55.1 U55.2 U55.7 U56.7 U58.7 U59.7 U59.9 U59.10 U59.12 U59.13 U60.7 U61.7 U62.7 U64.7 U65.7 U65.13 U66.7 U66.13 U68.7 U69.7 U70.1 U70.7 U71.7 U71.9 U73.10 U74.10 U75.10 U76.10 U76.19 U78.8 U79.7 U79.11 U79.13 U80.7 U81.7 U81.13 U83.5 U83.8 U84.4 U84.5 U84.8 U85.1 U85.8 U85.13 U86.7 U87.4 U87.5 U87.8 U88.7 U89.7 U90.7 U91.19 U91.20 U91.22 U91.25 U91.35 U93.11 U95.3 U95.5 U95.7 U95.9 U96.7 U97.14 U97.18 U97.19 U97.20 U97.21 U97.22 U97.23 U97.24 U97.25 U97.26 U97.27 U97.28 U97.44 U97.52 U97.64 U97.83 U97.86 U98.5 U99.1 U99.18 U99.52 U99.58 U99.64 U100.10
VCC: C30.1 C31.1 C32.1 C33.1 C34.1 C35.1 C36.1 C37.1 C38.1 C39.1 C40.1 C41.1 C42.1 C43.1 C44.1 C45.1 C46.1 C47.1 C48.1 C49.1 C50.1 C51.1 C52.1 C53.1 C54.1 C55.1 C56.1 C57.1 C58.1 C59.1 C60.1 C61.1 C62.1 C63.1 C64.1 C65.1 C66.1 C67.1 C68.1 C69.1 C70.1 C71.1 C72.1 C73.1 C74.1 C75.1 C76.1 C77.1 C79.1 C80.1 C81.1 C82.1 C83.1 C84.1 C85.1 C86.1 C89.1 C90.1 C91.1 C92.1 C93.1 C94.1 C95.1 C96.1 C97.1 C177.1 C178.1 C179.1 C180.1 C181.1 C183.1 C184.1 D4.2 F1.1 FB1.2 J1.2 J1.4 J2.1 J6.3 J6.29 J6.78 J8.3 J8.29 J8.78 J9.3 J9.29 J9.78 J10.3 J10.29 J10.78 J11.3 J11.29 J11.78 J12.3 J12.29 J12.78 J13.3 J13.29 J13.78 R16.1 R38.2 R42.2 R43.1 R44.1 R48.1 R49.1 R52.1 R53.1 RN1.1 RN2.1 RN3.1 RN4.1 RN5.1 RN6.1 RN11.1 U1.40 U2.20 U3.20 U4.20 U5.20 U6.20 U7.1 U7.20 U8.1 U8.20 U9.20 U10.20 U12.32 U13.32 U14.32 U15.33 U15.34 U15.40 U16.20 U17.20 U19.7 U19.18 U20.14 U21.5 U22.5 U22.31 U23.16 U24.20 U25.16 U26.11 U26.14 U26.24 U27.26 U28.2 U28.3 U28.18 U28.19 U28.20 U29.20 U30.16 U30.28 U31.28 U32.24 U32.40 U33.6 U33.16 U34.9 U34.10 U34.13 U34.14 U43.20 U44.16 U45.16 U46.20 U47.1 U47.20 U48.9 U48.10 U48.14 U49.14 U54.14 U55.14 U56.4 U56.14 U58.4 U58.12 U58.14 U59.14 U60.4 U60.10 U60.14 U61.9 U61.10 U61.12 U61.13 U61.14 U62.4 U62.10 U62.13 U62.14 U64.10 U64.14 U65.4 U65.10 U65.11 U65.12 U65.14 U66.14 U68.14 U69.14 U70.14 U71.14 U73.20 U74.20 U75.20 U76.1 U76.20 U78.16 U79.14 U80.14 U81.9 U81.10 U81.14 U83.6 U83.16 U84.6 U84.16 U85.16 U86.14 U87.16 U88.14 U89.14 U90.14 U91.40 U93.20 U95.14 U96.1 U96.4 U96.10 U96.13 U96.14 U97.6 U97.17 U97.47 U97.57 U97.70 U97.89 U98.8 U99.13 U100.20
/1.8432M: U91.16 U96.9
/24M: U19.14 U20.4
/A0: C130.1 J6.62 J8.62 J9.62 J10.62 J11.62 J12.62 J13.62 U4.12 U6.9 U76.2 U99.26
/A1: C131.1 J6.61 J8.61 J9.61 J10.61 J11.61 J12.61 J13.61 U4.13 U6.8 U76.3 U99.27
/A2: C132.1 J6.60 J8.60 J9.60 J10.60 J11.60 J12.60 J13.60 U4.14 U6.7 U76.4 U99.28
/A3: C133.1 J6.59 J8.59 J9.59 J10.59 J11.59 J12.59 J13.59 U4.15 U6.6 U76.5 U99.29
/A4: C134.1 J6.58 J8.58 J9.58 J10.58 J11.58 J12.58 J13.58 U4.16 U6.5 U84.1 U97.10 U99.30
/A5: C135.1 J6.57 J8.57 J9.57 J10.57 J11.57 J12.57 J13.57 U4.17 U6.4 U84.2 U97.11 U99.31
/A6: C136.1 J6.56 J8.56 J9.56 J10.56 J11.56 J12.56 J13.56 U4.18 U6.3 U84.3 U97.12 U99.32
/A7: C137.1 J6.55 J8.55 J9.55 J10.55 J11.55 J12.55 J13.55 U4.19 U6.2 U83.1 U97.13 U99.33
/A8: C138.1 J6.54 J8.54 J9.54 J10.54 J11.54 J12.54 J13.54 U3.2 U7.9 U24.12 U83.2 U97.15 U99.34
/A9: C139.1 J6.53 J8.53 J9.53 J10.53 J11.53 J12.53 J13.53 U3.3 U7.8 U24.13 U83.3 U97.16 U99.35
/A10: C140.1 J6.52 J8.52 J9.52 J10.52 J11.52 J12.52 J13.52 U3.4 U7.7 U24.14 U99.36
/A11: C141.1 J6.51 J8.51 J9.51 J10.51 J11.51 J12.51 J13.51 U3.5 U7.6 U24.15 U99.37
/A12: C142.1 J6.50 J8.50 J9.50 J10.50 J11.50 J12.50 J13.50 U2.17 U7.5 U24.16 U99.38
/A13: C143.1 J6.49 J8.49 J9.49 J10.49 J11.49 J12.49 J13.49 U2.15 U7.4 U24.17 U99.39
/A14: C144.1 J6.48 J8.48 J9.48 J10.48 J11.48 J12.48 J13.48 U2.13 U7.3 U24.18 U99.40
/A15: C145.1 J6.47 J8.47 J9.47 J10.47 J11.47 J12.47 J13.47 U2.12 U7.2 U24.19 U99.41
/A16: C146.1 J6.46 J8.46 J9.46 J10.46 J11.46 J12.46 J13.46 U2.14 U8.2 U23.10 U99.42
/A17: C147.1 J6.45 J8.45 J9.45 J10.45 J11.45 J12.45 J13.45 U2.16 U8.3 U23.9 U99.43
/A18: C148.1 J6.44 J8.44 J9.44 J10.44 J11.44 J12.44 J13.44 U2.18 U8.4 U23.7 U99.44
/A19: C149.1 J6.43 J8.43 J9.43 J10.43 J11.43 J12.43 J13.43 U2.19 U8.5 U23.6 U89.4 U99.45
/AA8: U1.8 U3.18 U15.8
/AA9: U1.7 U3.17 U15.7
/AA10: U1.6 U3.16 U15.6
/AA11: U1.5 U3.15 U15.5
/AA12: U1.4 U2.4 U15.4
/AA13: U1.3 U2.6 U15.3
/AA14: U1.2 U2.8 U15.2
/AA15: U1.39 U2.9 U15.39
/AA16: U1.38 U2.7 U15.38
/AA17: U1.37 U2.5 U15.37
/AA18: U1.36 U2.3 U15.36
/AA19: U1.35 U2.2 U15.35
/AD0: U1.16 U4.9 U5.9 U15.16
/AD1: U1.15 U4.8 U5.8 U15.15
/AD2: U1.14 U4.7 U5.7 U15.14
/AD3: U1.13 U4.6 U5.6 U15.13
/AD4: U1.12 U4.5 U5.5 U15.12
/AD5: U1.11 U4.4 U5.4 U15.11
/AD6: U1.10 U4.3 U5.3 U15.10
/AD7: U1.9 U4.2 U5.2 U15.9
/AEN: C105.2 J6.42 J8.42 J9.42 J10.42 J11.42 J12.42 J13.42 U8.12 U83.4 U97.34 U99.25
/AENBRD: U2.1 U3.19 U4.1 U8.8 U9.19 U16.6 U58.5 U59.4 U60.12 U61.4
/ALE: C121.2 J6.28 J8.28 J9.28 J10.28 J11.28 J12.28 J13.28 U2.11 U4.11 U16.5
/BA0: U32.4 U44.2 U44.14 U76.18 U78.3 U85.14 U91.28 U97.5
/BA1: J21.33 U33.1 U44.3 U44.13 U76.17 U79.5 U91.27 U97.7
/BA2: J21.36 U33.2 U76.16 U85.2 U91.26 U97.8
/BA3: J21.35 U33.3 U76.15 U85.3 U91.12 U97.9
/CLK: C113.2 J6.20 J8.20 J9.20 J10.20 J11.20 J12.20 J13.20 U8.14 U54.9 U56.3 U58.3 U60.3 U60.11 U99.23
/COM1_CTS: J25.8 U93.7
/COM1_DCD: J25.1 U93.2
/COM1_DSR: J25.6 U93.3
/COM1_DTR: J25.4 U93.8
/COM1_RI: J25.9 U93.9
/COM1_RTS: J25.7 U93.5
/COM1_RX: J25.2 U93.4
/COM1_SIN: U91.10 U93.17
/COM1_SOUT: U91.11 U93.15
/COM1_TX: J25.3 U93.6
/CPU_CLK: R22.2 U1.19 U8.6 U15.19 U16.2
/D0: C122.1 J6.40 J8.40 J9.40 J10.40 J11.40 J12.40 J13.40 RN11.9 U5.11 U9.2 U10.2 U32.7 U43.2 U73.2 U91.1 U97.36 U100.2
/D1: C123.1 J6.39 J8.39 J9.39 J10.39 J11.39 J12.39 J13.39 RN11.8 U5.12 U9.3 U10.3 U32.8 U43.3 U73.3 U91.2 U97.37 U100.3
/D2: C124.1 J6.38 J8.38 J9.38 J10.38 J11.38 J12.38 J13.38 RN11.7 U5.13 U9.4 U10.4 U32.9 U43.4 U73.4 U91.3 U97.38 U100.4
/D3: C125.1 J6.37 J8.37 J9.37 J10.37 J11.37 J12.37 J13.37 RN11.6 U5.14 U9.5 U10.5 U32.10 U43.5 U73.5 U91.4 U97.39 U100.5
/D4: C126.1 J6.36 J8.36 J9.36 J10.36 J11.36 J12.36 J13.36 RN11.5 U5.15 U9.6 U10.6 U32.11 U43.6 U73.6 U91.5 U97.40 U100.6
/D5: C127.1 J6.35 J8.35 J9.35 J10.35 J11.35 J12.35 J13.35 RN11.4 U5.16 U9.7 U10.7 U32.12 U43.7 U73.7 U91.6 U97.41 U100.7
/D6: C128.1 J6.34 J8.34 J9.34 J10.34 J11.34 J12.34 J13.34 RN11.3 U5.17 U9.8 U10.8 U32.13 U43.8 U73.8 U91.7 U97.42 U100.8
/D7: C129.1 J6.33 J8.33 J9.33 J10.33 J11.33 J12.33 J13.33 RN11.2 U5.18 U9.9 U10.9 U32.14 U34.6 U43.9 U73.9 U91.8 U97.43 U100.9
/D8: C169.1 J6.91 J8.91 J9.91 J10.91 J11.91 J12.91 J13.91
/D9: C170.1 J6.92 J8.92 J9.92 J10.92 J11.92 J12.92 J13.92
/D10: C171.1 J6.93 J8.93 J9.93 J10.93 J11.93 J12.93 J13.93
/D11: C172.1 J6.94 J8.94 J9.94 J10.94 J11.94 J12.94 J13.94
/D12: C173.1 J6.95 J8.95 J9.95 J10.95 J11.95 J12.95 J13.95
/D13: C174.1 J6.96 J8.96 J9.96 J10.96 J11.96 J12.96 J13.96
/D14: C175.1 J6.97 J8.97 J9.97 J10.97 J11.97 J12.97 J13.97
/D15: C176.1 J6.98 J8.98 J9.98 J10.98 J11.98 J12.98 J13.98
/DEN: U16.16 U54.13
/DENSEL: J18.2 U32.36
/DMA_ADSTB: U22.8 U24.11
/DMACLK: U22.12 U62.11 U86.3
/DRQ0: U22.19
/DRQ1: C111.2 J6.18 J8.18 J9.18 J10.18 J11.18 J12.18 J13.18 U22.18
/DRQ2: C102.2 J6.6 J8.6 J9.6 J10.6 J11.6 J12.6 J13.6 U22.17 U32.15
/DRQ3: C109.2 J6.16 J8.16 J9.16 J10.16 J11.16 J12.16 J13.16 U22.16
/DSW1: RN2.9 SW1.1 U29.2
/DSW2: RN2.8 SW1.2 U29.4
/DSW3: RN2.7 SW1.3 U29.6
/DSW4: RN2.6 SW1.4 U29.8
/DSW5: RN2.5 SW1.5 U29.11
/DSW6: RN2.4 SW1.6 U29.13
/DSW7: RN2.3 SW1.7 U29.15
/DSW8: RN2.2 SW1.8 U29.17
/DT_~{R}: U5.1 U16.4
/FDC_CLK: U20.10 U32.23
/HOLDA: U22.7 U56.9 U58.2
/HRQ_DMA: U22.10 U55.13 U56.13
/IDE_D0: J21.17 U73.18 U74.2 U75.19
/IDE_D1: J21.15 U73.17 U74.3 U75.18
/IDE_D2: J21.13 U73.16 U74.4 U75.17
/IDE_D3: J21.11 U73.15 U74.5 U75.16
/IDE_D4: J21.9 U73.14 U74.6 U75.15
/IDE_D5: J21.7 U73.13 U74.7 U75.14
/IDE_D6: J21.5 U73.12 U74.8 U75.13
/IDE_D7: J21.3 R40.1 U73.11 U74.9 U75.12
/IDE_D8: J21.4 U74.19 U75.2
/IDE_D9: J21.6 U74.18 U75.3
/IDE_D10: J21.8 U74.17 U75.4
/IDE_D11: J21.10 U74.16 U75.5
/IDE_D12: J21.12 U74.15 U75.6
/IDE_D13: J21.14 U74.14 U75.7
/IDE_D14: J21.16 U74.13 U75.8
/IDE_D15: J21.18 U74.12 U75.9
/INT: U1.18 U30.17
/INTCAS0: U30.12 U31.12
/INTCAS1: U30.13 U31.13
/INTCAS2: U30.15 U31.15
/IOCHRDY: C150.2 J6.41 J8.41 J9.41 J10.41 J11.41 J12.41 J13.41 RN1.8 U58.10 U97.35
/IRQ0: U26.10 U30.18
/IRQ1: U28.1 U30.19 U64.5 U66.3
